# KiCad board Marble.kicad_pcb (continued)
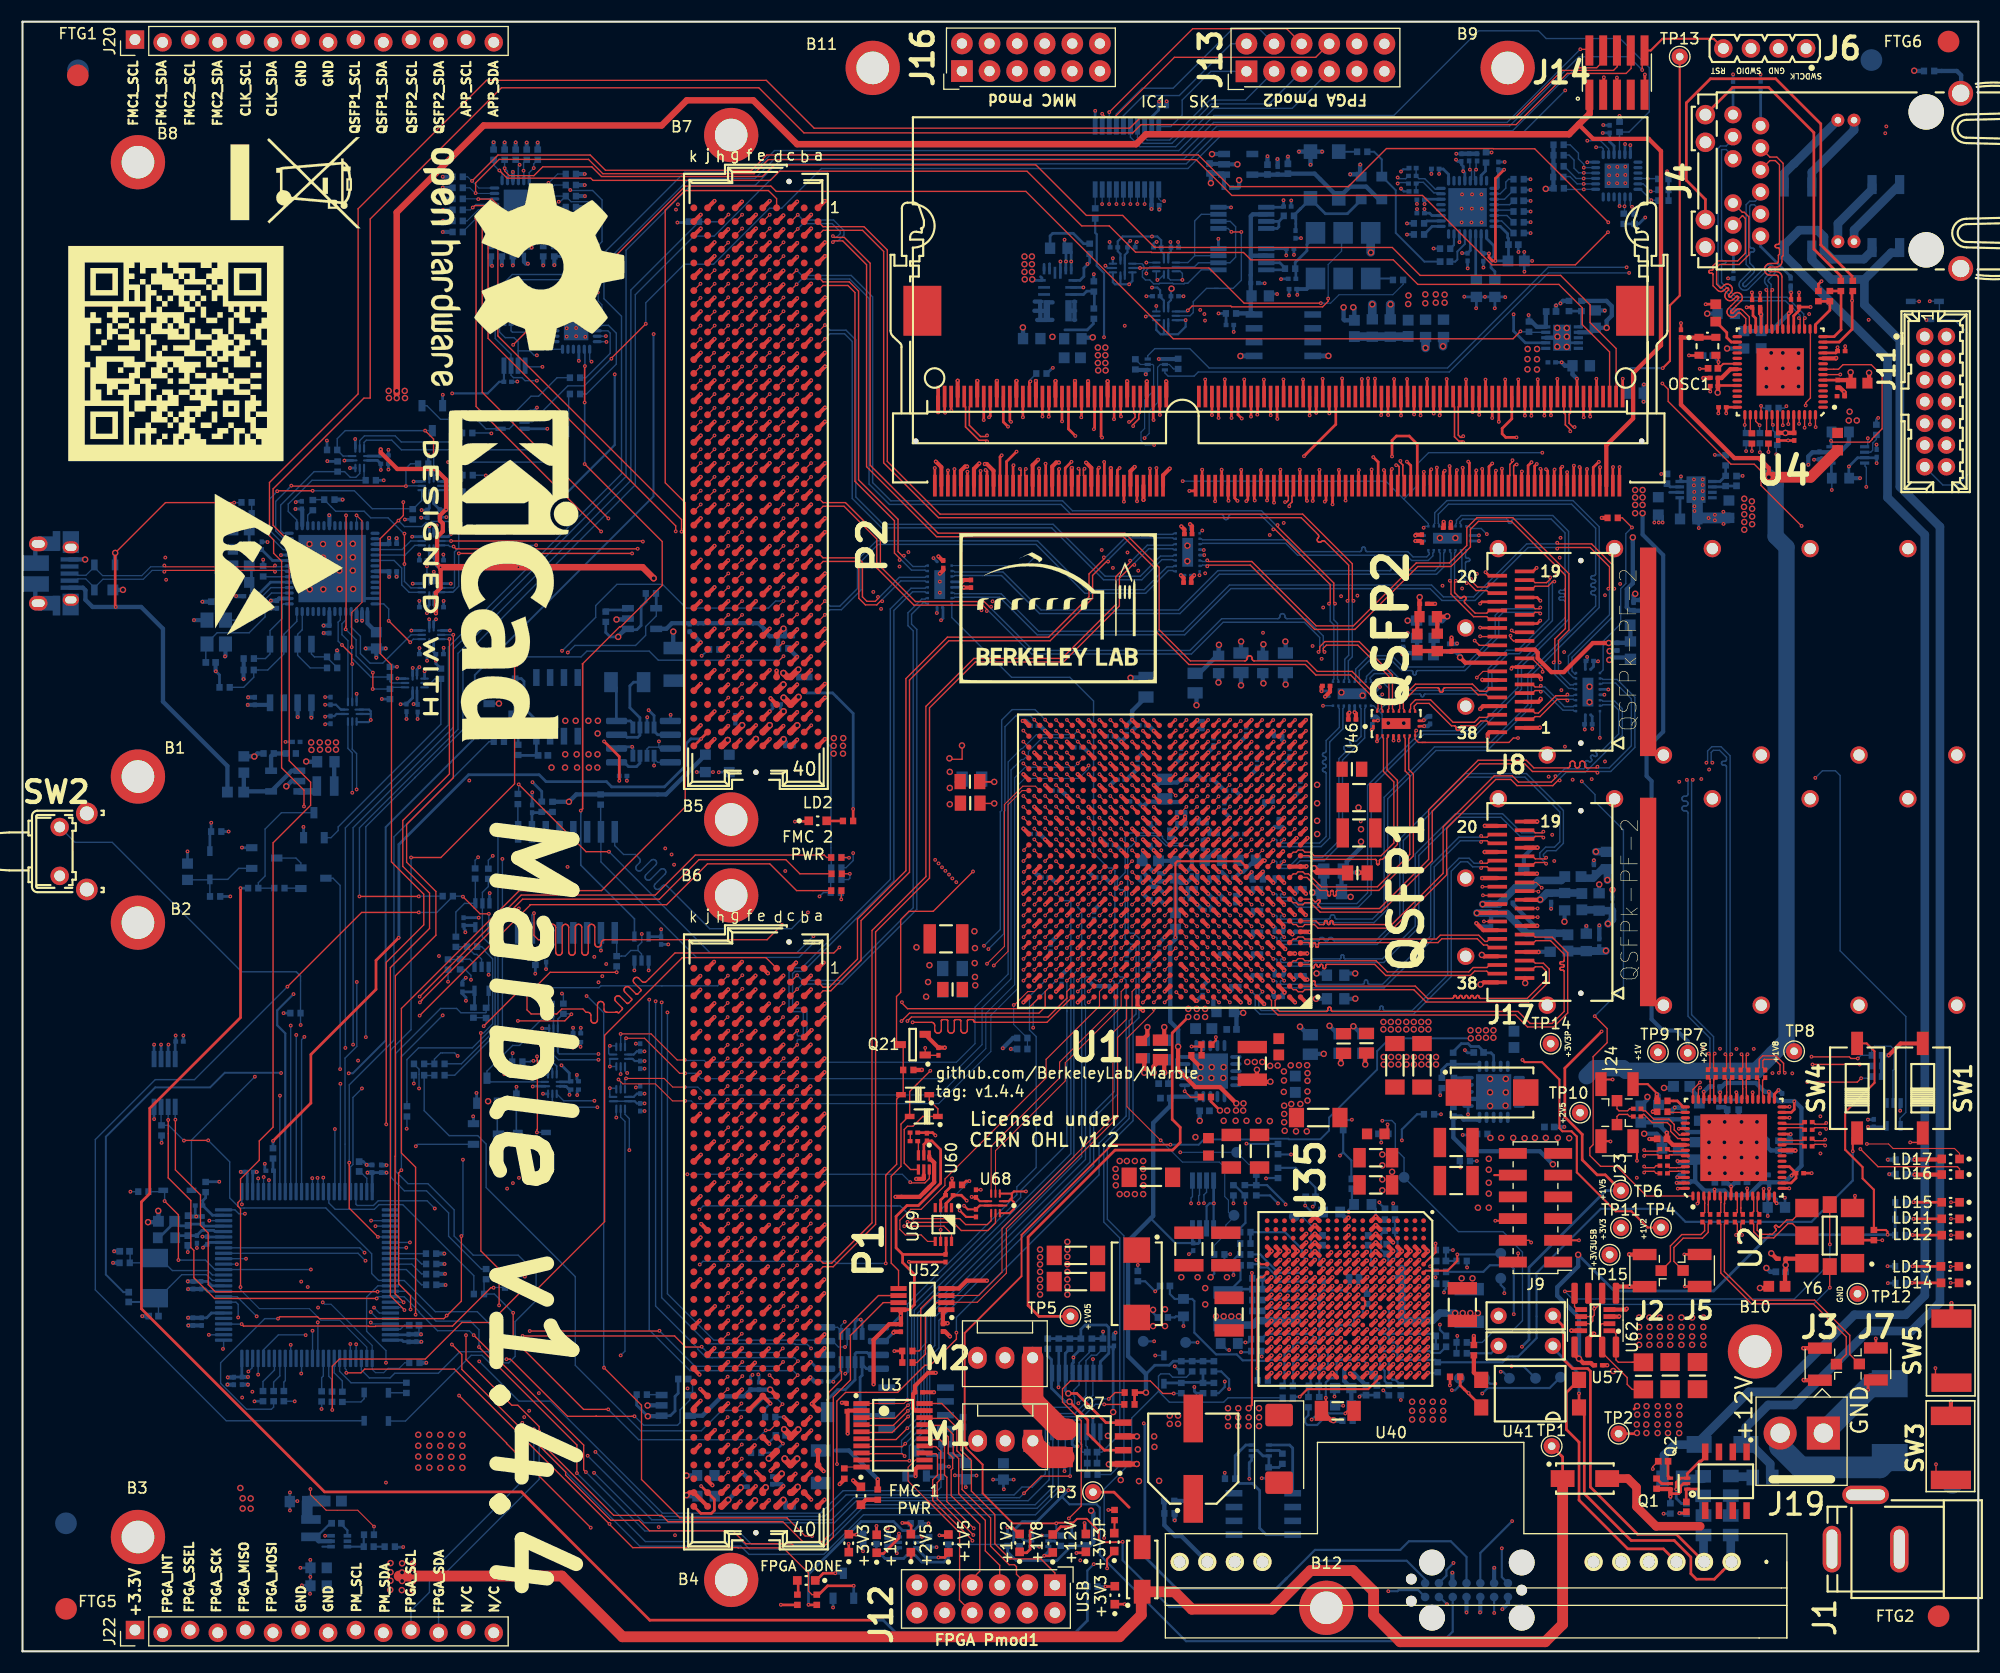
[diagram p0: board, top side]
## Routing (per net, layer and track width the routed paths; a pad name or vN(x,y) marks a point on that pad's centre or on a via; arc(x,y) is an arc through that point) (continued)
  Bottom w0.2: TP16.1 135.95,36.53 v1(132.05,36.53)
Net-(TP17-Pad1): length 14.9
  Top w0.2: v1(113.55,36.03) 113.95,35.63 U35.W6
  In4.Cu w0.2: v1(104.15,28.53) 104.65,28.53 106.05,29.93 106.05,30.33 108.15,32.43 109.95,32.43 v1(113.55,36.03)
  Bottom w0.2: v1(104.15,28.53) TP17.1
Net-(TP18-Pad1): length 16.3
  Top w0.4: U35.H15 v1(123.75,28.83)
  In4.Cu w0.2: v1(123.75,28.83) 124.15,28.43 124.15,27.07 124.39,26.83 124.71,26.83 124.95,26.59 124.95,26.27 125.19,26.03 129.19,26.03 129.19,26.03 131.13,26.03 132.29,24.87 135.31,24.87 v1(135.55,24.63)
  Bottom w0.2: v1(135.55,24.63) 135.05,24.63 TP18.1
Net-(TP19-Pad1): length 13.4
  Top w0.4: U35.J17 v1(122.95,27.23)
  In4.Cu w0.2: v1(131.55,24.03) 126.45,24.03 125.95,23.53 125.05,23.53 123.35,25.23 123.35,26.64 122.95,27.04 v1(122.95,27.23)
  Bottom w0.2: v1(131.55,24.03) 131.85,24.03 132.25,24.43 TP19.1
Net-(TP23-Pad1): length 5.8
  Top w0.4: U35.P6 v1(118.95,36.03)
  Bottom w0.127: v1(118.95,36.03) 118.59,36.39 118.59,39.2 117.76,40.03 TP23.1
Net-(TP24-Pad1): length 19.3
  Top w0.4: U35.J11 v1(122.95,32.03)
  In4.Cu w0.2: v1(122.95,32.03) 123.35,31.63 123.35,30.59 124.15,29.79 124.15,29.46 124.39,29.23 124.71,29.23 124.95,28.99 124.95,27.03 125.15,26.83 131.05,26.83 132.15,25.73 v1(136.05,25.73)
  Bottom w0.2: TP24.1 136.25,25.73 v1(136.05,25.73)
Net-(TP25-Pad1): length 12.7
  Top w0.4: U35.E10 v1(126.15,32.83)
  In4.Cu w0.2: v1(126.15,32.83) 126.55,32.43 135.85,32.43 v1(136.38,32.96)
  Bottom w0.2: v1(136.38,32.96) 136.38,33.4 136.05,33.73 TP25.1
Net-(TP26-Pad1): length 16.2
  Top w0.4: U35.M11 v1(120.55,32.03)
  In2.Cu w0.2: v1(120.55,32.03) 120.15,31.63 120.15,31.07 119.91,30.83 117.05,30.83 116.95,30.73 116.95,30.27 116.71,30.03 112.35,30.03 110.75,28.43 v1(108.15,28.43)
  Bottom w0.2: v1(108.15,28.43) TP26.1
Net-(TP27-Pad1): length 25
  Top w0.4: U35.K17 v1(122.15,27.23)
  In4.Cu w0.2: v1(122.15,27.23) 121.75,26.83 121.75,25.33 124.35,22.73 127.01,22.73 127.39,23.11 127.39,23.47 127.55,23.63 132.67,23.63 132.97,23.33 133.95,23.33 v1(134.35,23.73)
  Bottom w0.2: TP27.1 140.55,24.23 134.85,24.23 v1(134.35,23.73)
Net-(TP28-Pad1): length 15.7
  Top w0.4: U35.F16 v1(125.35,28.03)
  In4.Cu w0.2: v1(137.05,26.23) 132.45,26.23 131.05,27.63 125.75,27.63 v1(125.35,28.03)
  Bottom w0.2: v1(137.05,26.23) 138.15,26.23 TP28.1
Net-(U4-Pad7): length 9.6
  Top w0.127: v1(167.3,117.53) 167.28,117.51 U4.7
  In9.Cu w0.127: v1(167.3,117.53) 167.3,117.5 169.85,114.95 169.85,111.68 v1(169.83,111.66)
  Bottom w0.127: v1(169.83,111.66) 169.83,110.85 169.58,110.85
Net-(U15-Pad8): length 6.4
  Bottom w0.127: U23.34 34.2,100.41 34.9,99.71 34.9,98.16 35.58,97.48 U15.8
Net-(U23-Pad32): length 4.6
  Bottom w0.127: U23.32 34.93,101.41 35.72,102.2 U38.9
Net-(U23-Pad33): length 4.7
  Bottom w0.127: U23.33 35.21,100.91 36.1,101.8 U38.8
Net-(U35-PadH10): length 1
  Top w0.2: U35.H10 123.57,32.21 123.57,31.86 U35.H11
Net-(U35-PadN8): length 1.9
  Top w0.4: U35.N8 v1(119.75,34.43) ; U35.N9 v1(119.75,33.63)
  Bottom w0.4: v1(119.75,33.63) v1(119.75,34.43)
Net-(U40-Pad3): length 23.9
  Top w0.254: 143.74,25.06 143.33,25.06 142.09,23.82 142.09,20.41 143.26,19.25 143.26,13.91 147.74,9.43 151.02,9.43 U40.3
Net-(U48-Pad9): length 93.2
  In9.Cu w0.127: v1(165,80.4) 162.09,80.4 158.16,76.47 151.6,76.47 148.37,79.7 122.69,79.7 118.68,83.71 118.68,86.02 v1(119.69,87.04)
  Bottom w0.127: 172.8,48.35 172.8,49.06 173.33,49.6 173.33,58.43 167.29,64.48 167.29,80.62 166.85,81.05 165.66,81.05 v1(165,80.4) ; 119.83,87.04 119.84,87.04 U48.9
Net-(U58-Pad4): length 2.3
  Bottom w0.4: U58.4 U58.6 ; U58.5 U58.A4
unconnected-(U1-PadA19): length 0
  Top w0.11: 99.65,60.22 99.62,60.22
unconnected-(U20-Pad28): length 0
  Bottom w0.178: 130.54,132.67 130.53,132.68
unconnected-(U54-Pad55): length 0.2
  Bottom w0.127: U54.55 34.02,38.64 34.03,38.62

## Copper pours and planes (outline as drawn; the poured copper is in the pictures)
+1V0 on Top: 117.68,82.29 122.36,82.29 122.34,73.92 117.7,73.93 117.68,80.15
+1V0 on Top: 130.45,53.53 124.65,53.53 124.65,55.73 115.05,55.73 115.05,58.23 130.45,58.23
+1V0 on In2.Cu: 170.85,69.23 153.25,51.23 124.95,51.23 124.95,55.23 147.75,55.23 166.55,74.03 166.55,115.03 161.55,115.03 161.55,113.13 155.75,113.03 155.75,121.23 170.85,121.23
+1V0 on In4.Cu: 107.87,66.95 103.65,66.86 102.37,67.93 102.33,75.53 104.03,77.09 115.57,77.11 115.65,77.19 127.81,77.12 130.71,74.24 130.78,52.62 129.56,52.62 112.72,52.62 112.72,64.3 110.08,66.95
+1V0 on GND5.Cu: 104.8,67.25 102.51,69.54 102.51,76.77 103.12,77.38 114.61,77.42 114.63,77.44 129.76,77.38 130.93,76.33 130.91,52.97 128.6,52.92 111.76,52.92 111.76,64.61 109.12,67.25
+1V0 on PWR6.Cu: 110.97,67.17 105.19,67.18 102.83,68.99 102.81,76.98 103.15,77.26 117,77.41 119.12,80.23 132.62,80.22 132.59,74.29 132.66,53.48 132.66,52.85 115.82,52.85 115.82,64.53 113.18,67.17
+1V5 on Bottom: 100.15,117.26 96.69,117.26 96.69,120.06 96.72,120.06 97.05,120.39 100.15,120.44
+1V5 on PWR6.Cu: 149.57,103.41 145.91,99.8 145.91,80.8 119.68,80.86 118.87,79.8 117.1,77.45 116.41,76.56 115.78,76.56 115.1,77.41 99.78,77.51 99.02,78.16 99.03,83.49 95.09,87.43 87.45,87.43 87.45,122.44 149.57,122.44
+1V8 on Top: 118.95,47.31 118.95,51.89 115.6,51.89 115.6,47.31
+1V8 on Bottom: 144.66,55.53 144.66,53.23 144.7,52.52 144.68,46.75 134.34,46.75 134.34,49.01 134.92,49.77 137.11,49.77 137.11,50.54 138.4,50.56 138.4,57.57 142.62,57.57
+1V8 on Bottom: 119.06,47.53 108.79,47.54 108.79,52.07 119.07,52.06
+1V8 on Bottom: 109.02,51.68 109.02,50.54 108.79,50.31 108.79,49.19 113.39,49.19 113.39,51.88 112.83,52.44 111.05,52.44 111.05,51.68
+1V8 on PWR6.Cu: 108.63,52.63 108.63,46.57 143.48,46.62 143.34,80.34 132.88,80.37 132.89,53.13 132.38,52.62 116.05,52.62 115.31,52.63
+2V5 on Top: 100.07,45.59 103.62,45.59 103.62,41.52 100.07,41.52
+2V5 on Top: 87.43,83.73 88.75,83.73 89.82,82.67 89.82,77.08 87.43,77.08
+2V5 on Top: 85.45,67.29 87.28,67.29 88.12,66.45 88.12,60.43 87.28,59.6 85.5,59.6
+2V5 on Bottom: 61.45,82.36 62.23,81.78 75.59,81.78 75.94,82.13 75.94,85.06 75.08,85.92 61.45,85.92
+2V5 on Bottom: 106.05,55.54 106.05,56.96 105.72,57.29 105.72,57.62 105.41,57.93 103.2,57.93 102.49,57.22 102.49,55.54
+2V5 on Bottom: 61.12,12.56 61.12,17.06 68.81,17.06 68.81,12.59
+2V5 on Bottom: 87.53,82.52 89.51,82.52 89.84,82.49 89.84,77.59 87.53,77.59
+2V5 on Bottom: 85.5,65.16 88.12,65.16 88.12,60.43 87.28,59.6 85.5,59.6
+2V5 on In2.Cu: 65,82.35 61.38,82.35 61.38,85.83 65,85.83
+2V5 on In2.Cu: 105.45,47.03 105.45,38.63 95.45,28.63 89.55,28.63 88.08,27.23 88.08,16.53 83.45,11.88 61.03,11.88 61.03,18.15 73.71,18.15 78.56,23.17 78.56,31.78 88.95,42.33 96.25,42.33 100.95,47.03
+2V5 on In2.Cu: 117.15,69.41 119.84,72.02 119.84,79.34 112.6,79.34 111.67,80.36 97.9,80.36 94.85,76.9 94.85,76.05 95.49,75.34 103.46,75.35 111.81,75.35 111.99,75.2 112.17,74.87 112.17,74.54 111.46,73.83 111.46,69.82 111.86,69.41
+2V5 on PWR6.Cu: 108.36,41.53 108.38,52.84 115.12,52.86 115.15,64.66 112.9,66.84 104.66,66.81 102.62,68.34 102.59,76.83 101.85,77.4 99.44,77.4 98.49,78.22 98.46,80.94 98.5,83.1 94.82,86.97 82.12,86.99 75.23,86.97 74.05,85.63 74.05,49.03 81.55,41.53
+2V5 on In7.Cu: 171.35,51.43 160.65,40.73 99.45,40.73 99.45,47.93 132.65,47.93 160.65,75.93 160.65,120.43 171.35,120.43
+2V5 on In9.Cu: 69.35,80.98 59.85,80.98 51.85,72.98 51.85,61.53 58.4,55.03 58.4,47.48 51.6,47.48 48.35,50.73 47.6,50.73 42.6,55.73 42.6,74.73 53.85,85.98 69.35,85.98
+3V3 on Top: 93.14,38.14 96.7,38.14 96.7,32.33 93.14,32.33
+3V3 on Bottom: 95.32,128.51 94.76,127.96 94.76,126.46 94.26,125.95 91.84,125.95 91.84,129.73 95.32,129.73
+3V3 on Bottom: 159.69,106.23 159.69,102.83 157.85,102.83 157.85,105.13 155.25,105.13 155.27,106.83 159.65,106.83
+3V3 on PWR6.Cu: 179.6,145.51 179.58,143.54 179.37,79.8 179.37,61.91 179.45,61.23 179.45,2.86 179.63,2.23 179.6,0.49 48.41,0.47 48.44,18.89 48.44,37.81 46.28,39.97 46.28,52.54 42.09,56.73 42.09,81.75 43.1,82.77 58.98,82.77 59.03,94.68 41.32,94.71 41.32,116.81 0.56,116.81 0.56,141.81 0.57,149.44 179.54,149.51 ; 1 cut-out
+3V3 on In9.Cu: 159.34,109.46 159.75,109.21 159.7,97.75 142.92,81.78 121.94,81.78 117.5,86.22 117.5,87.95 117.52,87.98 127.3,95.8 127.25,103.93 132.74,109.44
+3V3_CLEAN on Bottom: 126.64,121.78 126.74,121.8 131.59,121.85 131.59,125.28 126.64,125.31
+3V3_CLEAN on In4.Cu: 112.61,118.13 130.79,118.11 139.19,126.29 139.12,126.19 139.09,136.75 134.88,141.01 131.07,141.01 127.21,138.32 108.66,138.32 108.58,121.78
+3V3_USB on Bottom: 24.81,82.08 27.66,82.08 28.01,81.73 28.01,78.53 29.61,78.53 29.61,83.81 29.21,84.22 24.81,84.22
+3V3_USB on In2.Cu: 17.07,78.83 17.07,68.93 21.64,68.93 22.91,70.2 22.91,75.53 26.18,78.81
+3V3_USB on In2.Cu: 38.88,110.89 38.88,87.19 30.38,78.68 17.07,78.68 17.07,110.89
+12V on Top: 155.67,25.4 148.4,25.4 148.4,31.42 155.67,31.42
+12V on Top: 120.95,19.93 110.55,19.93 110.55,23.23 120.95,23.23
+12V on Bottom: 47.99,85.97 53.32,85.97 53.32,81 47.99,81
+12V on Bottom: 91.88,29.43 91.88,23.33 93.55,21.67 93.55,16.96 85.15,16.96 85.15,19.15 83.56,20.74 83.56,25.76 87.23,29.43
+12V on In7.Cu: 85.45,8.43 78.56,8.42 57.99,8.42 56.13,8.45 50.7,13.88 50.7,28.29 60.5,28.29 60.5,22.06 62.65,19.93 75.5,19.88 75.95,20.33 85.45,30.13
+12V on In7.Cu: 55.74,86.05 55.74,61.03 60.47,56.29 60.47,25.89 50.73,25.89 50.8,50.71 48.36,52.85 47.5,53.6 47.5,86.05
+12V on In7.Cu: 156.4,9.63 91.05,9.63 88.45,8.43 85.35,8.43 85.35,30.13 107.05,30.13 113.65,23.53 120.05,23.53 123.45,20.13 134.65,20.13 134.65,31.93 156.35,31.93
+12V_FMC1 on Bottom: 70.41,21.99 71.57,23.16 75.21,23.16 75.21,17.67 72.39,17.67 71.42,16.83 69.95,16.83 69.95,21.58
+12V_FMC2 on Bottom: 56.28,87.98 57.1,87.16 71.85,87.16 72.18,87.49 72.18,90.31 71.55,90.95 56.84,90.95 56.28,90.39
/Power/+12VS on Top: 159.51,22.01 159.51,17.11 147.96,17.12 147.96,25.37 156.29,25.37
/Power/+12VS on Bottom: 154.12,19.12 146.26,11.25 115.2,11.25 115.3,20.76 131.65,20.76 135.37,23.79 154.12,23.79
/Power/Power_SW/1V5_DCDC on Bottom: 95.02,122.37 95.4,121.81 96.59,121.81 96.59,118.38 92.78,118.38 92.78,124.48 95.02,124.48
/Power/Power_SW/LTM4673/1V0 on Top: 133.65,50.23 132.45,49.03 132.45,37.63 125.35,37.63 125.35,39.83 127.25,41.73 127.25,47.43 124.95,49.73 124.95,53.23 133.65,53.23
/Power/Power_SW/LTM4673/1V8 on Top: 124.65,40.53 123.75,39.63 123.75,36.93 122.25,36.93 122.25,40.43 121.65,41.03 121.65,45.63 119.75,47.53 119.75,51.83 124.65,51.83
/Power/Power_SW/LTM4673/2V5 on Top: 121.35,36.83 119.75,36.83 119.75,40.03 118.35,41.43 104.75,41.43 104.75,45.33 121.35,45.33
/Power/Power_SW/LTM4673/3V3 on Top: 118.15,37.63 113.75,37.63 112.65,36.73 105.55,36.73 101.15,32.23 97.65,32.23 97.65,39.23 99.45,41.03 117.45,41.03 118.15,40.33
GND on Top: 123.8,82.21 122.54,82.25 122.56,73.94 125.3,73.97 125.35,80.2
GND on Top: 84.8,83.76 87.28,83.76 87.28,77.08 85.65,77.08 84.8,77.08
GND on Top: 81.64,67.39 84.76,67.39 84.76,64.83 85.25,63.99 85.25,59.52 81.67,59.52
GND on Top: 112.95,31.53 107.95,31.53 105.75,29.33 101.15,29.33 101.15,31.83 105.65,36.33 112.95,36.33
GND on Top: 115.45,46.43 106.95,46.43 106.95,49.23 115.45,49.23
GND on Top: 126.85,47.33 126.85,41.83 124.85,41.83 124.85,48.43 125.75,48.43
GND on Top: 109.25,19.43 117.35,19.43 117.35,13.83 113.45,13.83 113.45,16.83 105.45,16.83 105.45,15.03 99.55,15.03 99.55,20.43 104.85,20.43 104.85,22.83 109.25,22.83
GND on Top: 140.05,50.93 135.75,46.63 135.75,35.53 136.95,34.33 136.95,26.93 134.65,26.93 134.65,32.43 130.65,32.43 130.65,37.03 132.65,37.03 132.65,48.23 134.45,50.03 134.45,53.23 140.05,53.23
GND on Bottom: 87.31,83.82 87.32,76.99 84.71,76.99 84.71,83.84
GND on Bottom: 106.05,55.34 102.49,55.34 102.49,52.37 104.37,50.49 105.21,50.49 105.21,52.34 106.05,53.18
GND on Bottom: 69.82,16.6 74.88,16.6 74.88,14.82 73.12,13.07 69.82,13.07
GND on Bottom: 81.72,59.7 85.25,59.7 85.25,64.4 81.72,64.4
GND on Bottom: 112.45,31.53 108.15,31.53 108.15,33.53 106.25,33.53 106.25,34.83 112.45,34.83
GND on Bottom: 134.75,32.63 130.65,32.63 130.65,34.33 131.85,34.33 131.85,34.73 134.75,34.73
GND on GND1.Cu: 179.6,0.48 0.6,0.48 0.6,149.48 179.6,149.48
GND on GND3.Cu: 0.29,149.46 39.15,149.46 40.81,149.42 179.55,149.41 179.6,141.62 179.6,78.35 179.63,76.57 179.56,61.42 179.63,0.84 168.7,0.85 30.78,0.85 0.31,0.49 0.3,3.86 0.3,140.81
GND on GND5.Cu: 179.6,0.48 0.6,0.48 0.6,149.48 179.6,149.48
GND on GND8.Cu: 179.6,0.48 0.6,0.48 0.6,149.48 179.6,149.48
GND on GND10.Cu: 179.59,0.49 0.59,0.49 0.59,149.49 179.59,149.49
VCCAUX on Bottom: 119.08,52.17 115.43,52.17 115.43,54.49 119.08,54.49
VCCAUX on In9.Cu: 113.42,75.47 119.67,75.47 119.69,69.27 112.91,69.25 112.83,69.12 112.83,61.27 113.86,60.31 118.9,60.29 118.92,52.12 110.21,52.11 110.21,60.16 109.61,60.77 109.33,61.05 109.35,64.33 106.28,67.4 106.27,77.15 111.74,77.16
VCCAUXIO2V0 on Bottom: 112.57,72.15 112.57,76.42 109.65,76.42 109.65,72.15
VCCAUXIO2V0 on Bottom: 152.38,107 150.96,107 150.7,107.25 148.21,107.25 148.06,107.1 148.06,104.43 148.32,104.18 149.33,104.18 149.51,104.35 149.51,105.57 149.64,105.7 152.38,105.7
VCCAUXIO2V0 on In7.Cu: 150.17,98.12 150.19,98.14 150.19,90 131.51,71.4 109.5,71.4 109.5,76.19 127.78,76.18 144.57,92.99 144.68,107.41 147.94,107.42 150.17,107.42
VCCBRAM on Top: 111.66,56.4 114.5,56.4 114.86,56.05 116.33,56.05 116.33,53.58 111.66,53.58
VCCBRAM on In7.Cu: 117.45,54.18 117.4,55.08 114.55,57.91 107.62,57.92 107.62,69.04 109.11,70.59 109.12,75.68 107.52,77.29 105.92,77.32 104.22,75.62 104.22,58.2 103.3,57.28 103.39,53.64 104.8,52.32 116.44,52.18 117.43,53.12
+3.3P on Top: 33.32,116.42 35.61,116.42 35.61,114.9 33.32,114.9
+3.3P on Bottom: 121.08,124.24 123.19,124.24 123.19,121.91 121.08,121.91
+3.3P on Bottom: 30.73,20.53 32.26,20.51 41.15,20.54 41.15,12.28 35.15,12.33 28.45,12.33 28.45,20.53
+3.3P on In4.Cu: 61.13,131.93 61.13,131.3 58.84,129 58.84,123.1 49.83,114.1 33.13,114.1 33.19,139.54 53.95,139.54
+3.3P on PWR6.Cu: 41.2,94.58 58.9,94.58 58.85,82.9 42.85,82.9 41.83,81.88 41.83,56.61 46.02,52.42 46.02,39.84 48.18,37.68 48.18,0.47 18.76,0.55 11.6,0.5 0.51,0.42 0.51,6.9 0.56,7.97 0.56,116.55 41.2,116.55
+3.3P on In9.Cu: 147.27,24.25 135.25,12.18 83.21,12.18 80.62,10.05 79.22,8.65 36.14,8.65 36.17,10.3 36.14,20.69 50.47,20.69 53.03,23.26 58.59,23.26 61.95,19.9 61.95,16.91 64.03,14.85 71.68,14.85 72.75,15.87 72.75,23.61 72.76,24.04 72.76,24.78 72.75,24.96 132.53,24.96 135.05,27.47 147.27,27.47
/Power/FMC1_P on Bottom: 77.82,25.26 81.23,25.26 81.23,19.37 75.46,19.37 75.46,23.31 77.82,23.31
/Power/FMC2_P on Bottom: 47,91.54 54.09,91.54 55.27,90.36 55.27,87.62 54.02,87.62 53.26,86.86 46.45,86.86 46.45,91.53
/SDRAM/VREF_DDR3 on Bottom: 140.76,117.36 138.2,117.34 138.2,120.18 140.76,120.18
/SDRAM/VREF_DDR3 on In7.Cu: 141.81,120.62 141.81,117.31 139.54,115.2 111.17,115.2 107.29,111.32 107.29,101.79 107.36,86.15 108.35,85.16 108.35,84.65 106.88,83.18 106.88,82.06 108.58,80.38 109.22,80.38 111.15,82.31 115.19,82.31 115.62,82.74 115.62,83.79 116.02,84.14 116.56,84.17 116.81,83.91 116.81,79.47 115.31,77.71 104.24,77.69 102.36,79.57 99.87,79.57 99.29,80.15 99.29,82.46 101.9,85.08 102.19,85.08 102.98,84.27 103.81,84.27 104.29,84.75 104.29,103.52 101.17,106.62 93.52,114.27 88.44,114.27 87.68,113.5 87.68,111.6 85.32,109.26 84.33,108.3 83.92,108.3 83.66,108.55 83.66,108.98 84.58,109.9 84.58,119.04 86.69,121.15 141.3,121.15
MGTAVCC on Bottom: 108.61,56.66 108.61,58.13 110.36,58.13 110.36,59.5 112.34,61.49 113.56,61.49 113.66,61.59 113.66,70.43 113.44,70.66 109.27,70.66 106.98,68.37 106.98,66.08 106.3,65.4 106.3,56.66
MGTAVCC on In7.Cu: 112.88,70.63 113.79,69.71 113.79,59.99 111.99,58.16 111.89,58.05 106.96,58.05 106.96,68.32 109.27,70.63
MGTAVTT on Bottom: 133.19,58.13 132.71,57.64 132.71,56.04 133.22,55.53 135.3,55.5 136.25,56.4 137.91,56.43 138.17,56.75 138.17,57.95 137.99,58.13
MGTAVTT on In7.Cu: 114.44,71.97 114.88,71.43 124.79,71.34 135.66,60.47 137.59,58.69 137.59,58.61 137.59,57.44 135.2,55.21 118.08,55.21 113.87,59.48 113.81,71.21 113.94,72
VTT_DDR3 on Bottom: 148.49,113.45 147.24,112.37 147.24,108.8 144.21,108.78 142.41,110.25 142.41,121.22 148.49,121.2
Net-(C42-Pad2) on Top: 169.25,111.53 166.25,111.53 166.25,115.33 165.35,115.33 165.35,115.73 169.25,115.73
Net-(C42-Pad2) on Bottom: 169.2,112.86 166.3,112.86 164.2,114.97 156.5,114.97 155.56,115.91 155.56,117.97 155.59,118 155.6,121.25 158.3,123.94 160.47,123.97 162.13,122.29 164.23,122.29 164.47,122.53 164.47,123.38 164.16,123.7 164.16,124.6 164.91,124.59 166.21,123.28 166.23,118.94 169.2,115.88
Net-(C128-Pad1) on Top: 154.03,16.79 159.68,16.8 159.69,22.52 164.12,22.55 164.08,15.29 168.43,11.28 168.45,4.49 160.38,4.48 154.02,10.84
Net-(C129-Pad1) on Top: 33.27,8.63 36.32,8.63 36.32,5.12 33.27,5.12
Net-(C129-Pad1) on Bottom: 29.05,9.82 29.05,9.08 29.55,8.6 36.32,8.6 36.32,5.15 27.35,5.15 27.35,9.82
Net-(C143-Pad1) on Bottom: 138.31,55.89 138.31,53.75 138.42,53.27 138.43,52.49 137.08,52.49 137.08,53.13 136.87,53.22 135.07,53.21 135.06,54.98 136.47,56.25 138.25,56.25
Net-(C153-Pad2) on Top: 134.35,29.53 130.95,29.53 130.95,31.53 134.35,31.53
Net-(C153-Pad2) on Top: 131.05,19.93 121.55,19.93 121.55,23.53 131.05,23.53
Net-(C153-Pad2) on Top: 112.65,28.73 109.45,28.73 109.45,31.23 112.65,31.23
Net-(C153-Pad2) on Bottom: 112.8,29.18 109.35,29.18 109.35,31.23 112.8,31.23
Net-(C153-Pad2) on Bottom: 134.7,29.58 130.75,29.58 130.75,31.68 134.7,31.68
Net-(C153-Pad2) on In7.Cu: 134.35,20.73 123.75,20.73 120.25,24.23 114.55,24.23 108.85,29.93 108.85,37.13 134.35,37.13
Net-(C153-Pad2) on In9.Cu: 134.45,32.63 134.45,29.83 109.25,29.83 109.25,31.13 115.25,37.13 129.95,37.13
Net-(C350-Pad1) on Top: 101.51,8.91 108.84,8.93 109.73,8.04 109.73,6.57 116.35,6.58 116.37,13.54 113.2,13.57 113.2,16.33 106.05,16.33 106.04,13.6 101.53,13.58
Net-(C350-Pad1) on Bottom: 106.75,11.55 109.62,8.68 109.62,6.34 113.23,6.34 113.23,15.05 106.75,15.05
Net-(C383-Pad1) on Bottom: 108.99,56.28 108.69,56.58 108.69,58.08 111.35,58.08 111.35,56.73 112.55,55.54 112.55,54.35 111.08,54.35 111.08,55.01 110.97,55.11 108.99,55.11

## Text on the board
B.Silkscreen: 1V2 | 2V5 | 3V3 | 1V0 | 3V3P | 1V8 | 1V05 | GND | 2V0 | 12V | 1V5 | FMC1_SCL | FMC1_SDA | FPGA_INT | FPGA_SSEL | FMC2_SCL | FPGA_SCK | FMC2_SDA | CLK_SCL | FPGA_MISO | CLK_SDA | FPGA_MOSI | QSFP1_SCL | PM_SCL | QSFP1_SDA | PM_SDA | FPGA_SCL | QSFP2_SCL | FPGA_SDA | QSFP2_SDA | APP_SCL | APP_SDA | github.com/BerkeleyLab/Marble / tag: v1.4.4 | FPGA Pmod1 | +3.3V | MMC Pmod | FPGA Pmod2 | Marble v1.4.4 | QSFP2 | QSFP1
F.Silkscreen: +1V05 | +2V5 | +3V3P | +3V3USB | +1V5 | +3V3 | +1V | +1V2 | +2V0 | +1V8 | GND | RST | SWDIO | SWDCLK | N/C | FMC1_SCL | FMC1_SDA | FPGA_INT | FPGA_SSEL | FMC2_SCL | FPGA_SCK | FMC2_SDA | FPGA_MISO | CLK_SCL | CLK_SDA | FPGA_MOSI | QSFP1_SCL | PM_SCL | QSFP1_SDA | PM_SDA | FPGA_SCL | QSFP2_SCL | QSFP2_SDA | FPGA_SDA | APP_SCL | APP_SDA | FPGA DONE | github.com/BerkeleyLab/Marble | tag: v1.4.4 | FMC 2 / PWR | FMC 1 / PWR | +1V0 | +12V | USB / +3V3 | FPGA Pmod1 | +3.3V | MMC Pmod | FPGA Pmod2 | Licensed under / CERN OHL v1.2 | QSFP2 | QSFP1 | Marble v1.4.4
